# KiCad board ciaa_acc.kicad_pcb (continued)
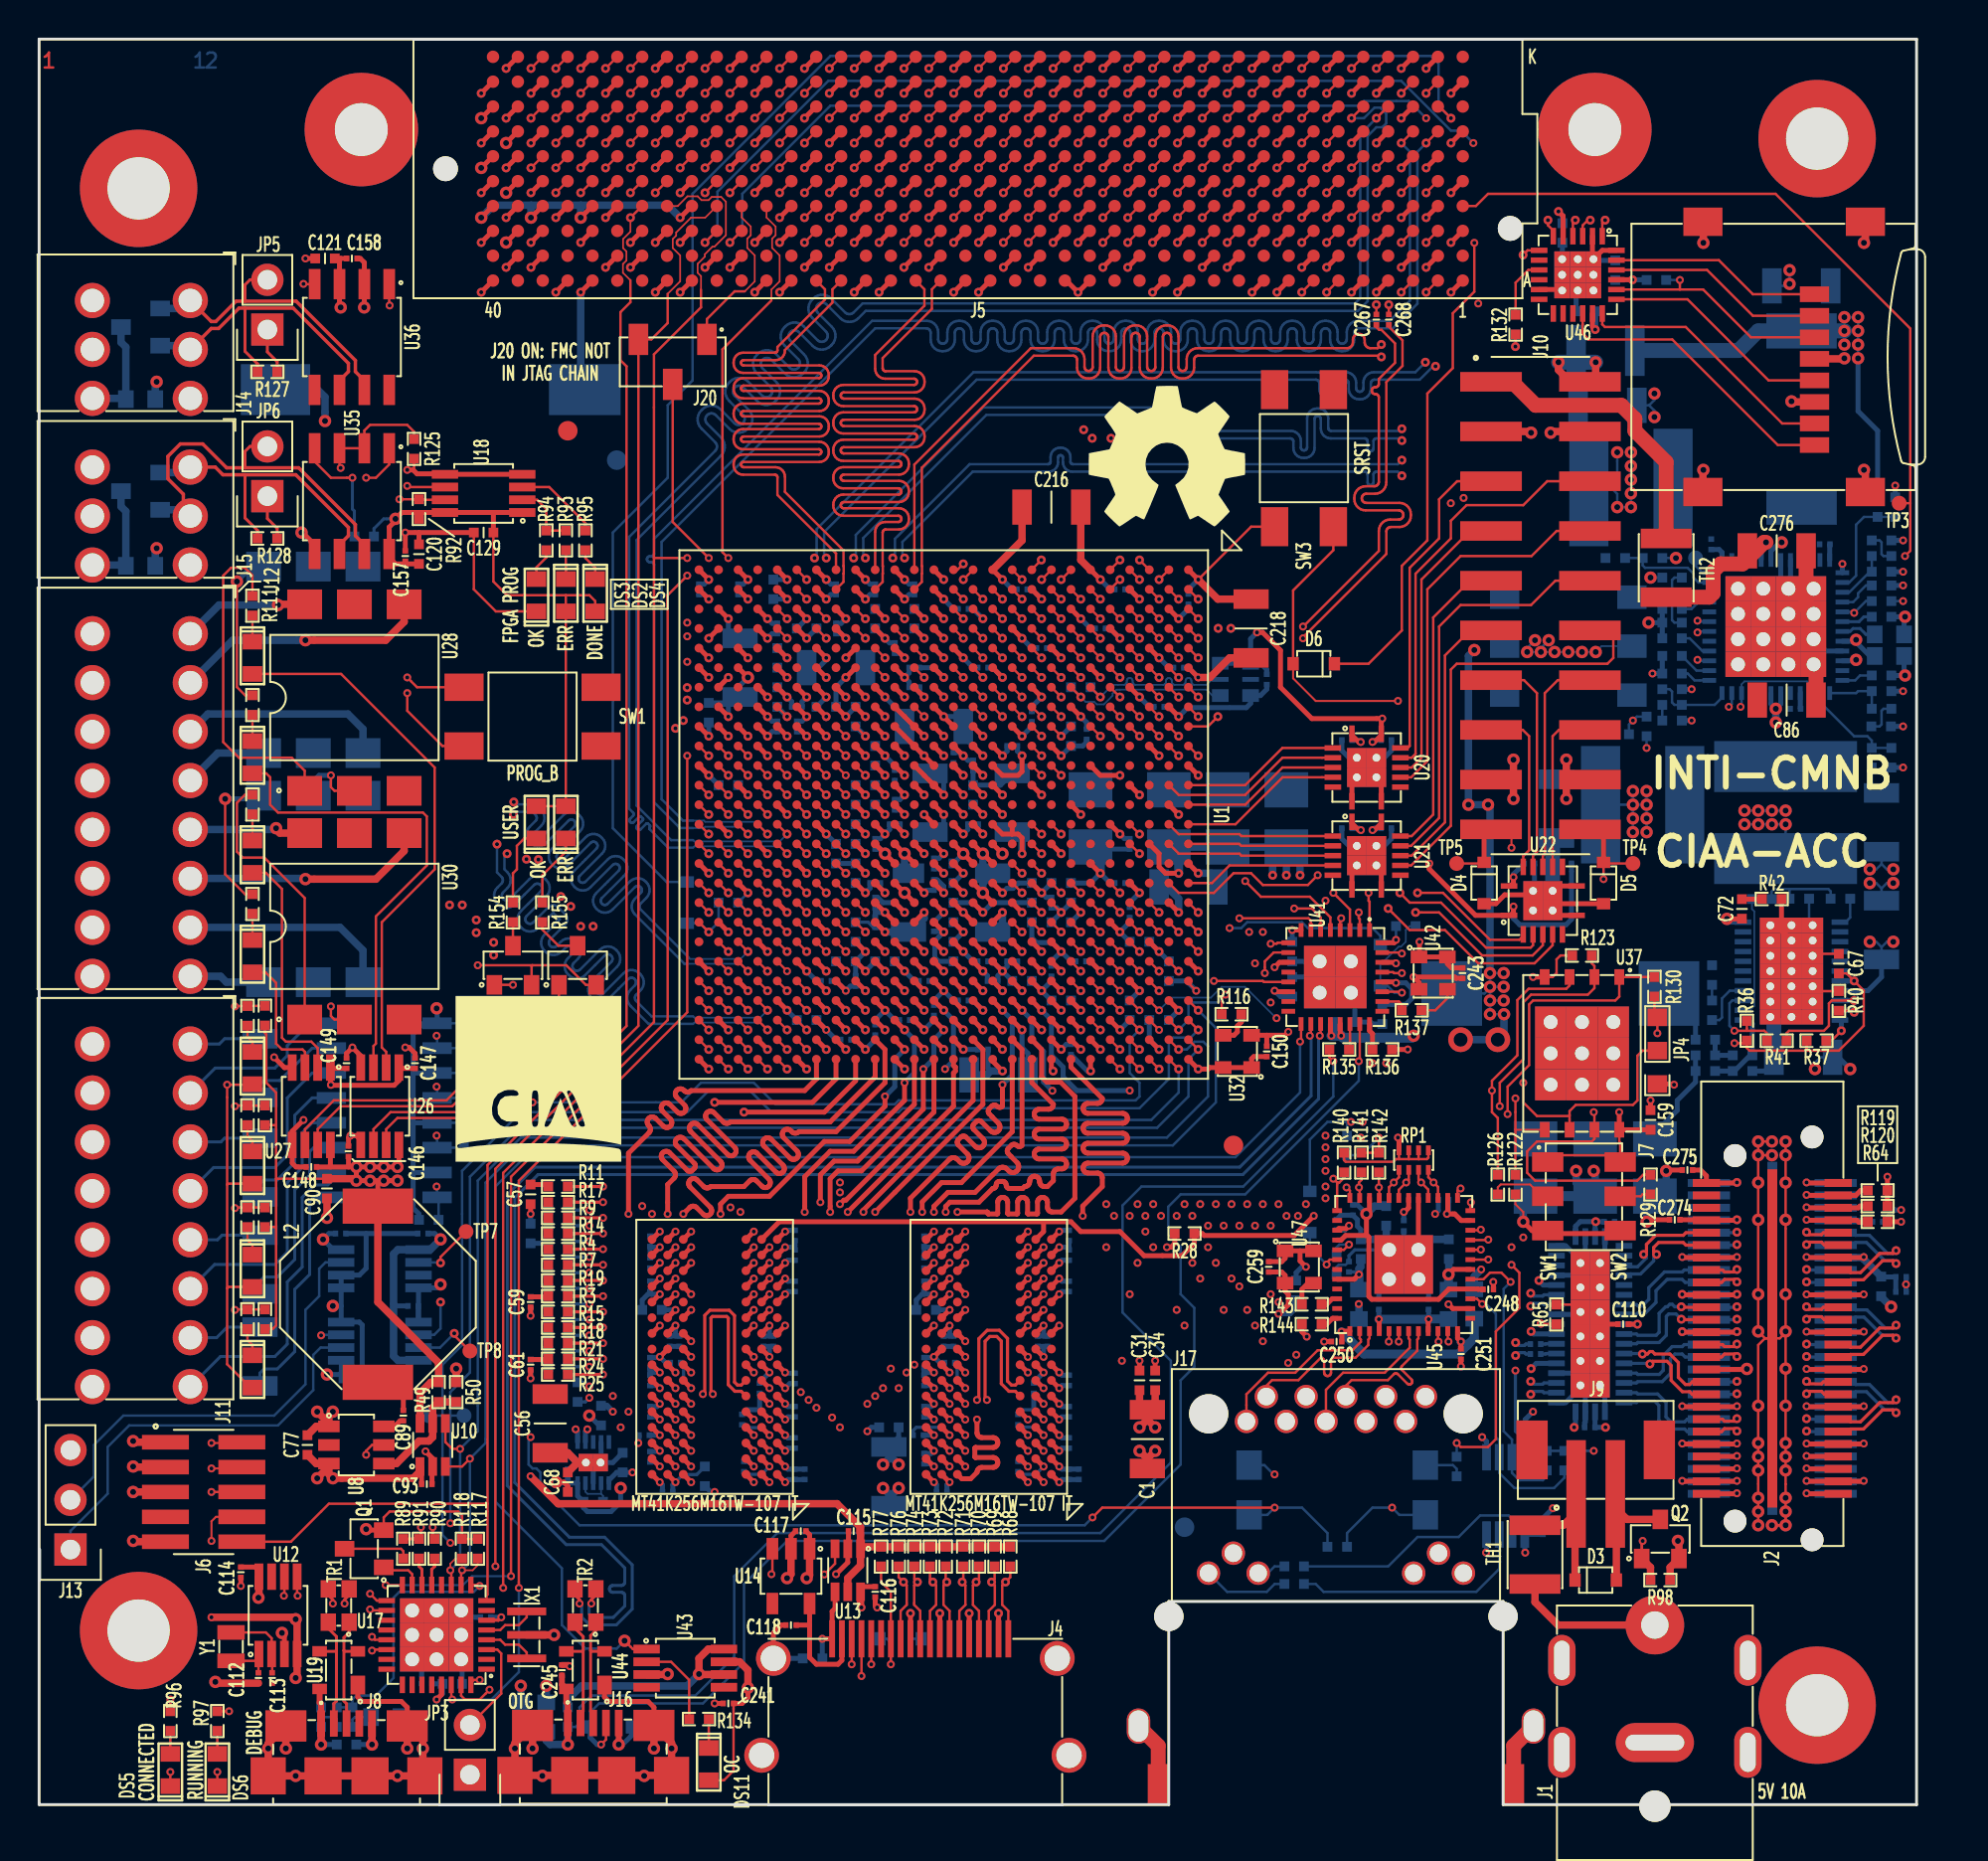
[diagram p0: board, top side]
## Placement (name value [footprint] x y rotation side) (continued)
R56  11K  [r_0402]  83.4 56.17 0 bottom
R57  10K  [r_0402]  94.1 61.47 0 bottom
R58  182K  [r_0402]  83.4 59.57 180 bottom
R59  10K  [r_0402]  83.4 58.67 0 bottom
R60  75K  [r_0402]  93.9 66.27 270 bottom
R61  24K  [r_0402]  94.8 66.27 90 bottom
R62  14K  [r_0402]  80.7 54.67 0 bottom
R63  16K  [r_0402]  82.1 55.07 270 bottom
R64  10K  [r_0402]  93.9 29.77 180 top
R65  10K  [r_0402]  77.5 25.04 90 top
R66  DNP  [r_0402]  94.08 26.47 270 bottom
R68  49R9  [r_0402]  49.6 12.67 270 top
R69  49R9  [r_0402]  48.8 12.67 270 top
R70  49R9  [r_0402]  48 12.67 270 top
R71  49R9  [r_0402]  47.2 12.67 270 top
R72  49R9  [r_0402]  46.3 12.67 270 top
R73  49R9  [r_0402]  45.5 12.67 270 top
R74  49R9  [r_0402]  44.7 12.67 270 top
R75  51K  [r_0402]  39.5 7.47 180 bottom
R76  49R9  [r_0402]  43.9 12.67 270 top
R77  27K  [r_0402]  43 12.67 90 top
R79  4.7K  [r_0402]  35.2 46.07 180 bottom
R80  4.7K  [r_0402]  41.7 55.57 90 bottom
R87  2K2  [r_0402]  15.2 4.47 270 bottom
R88  3K3  [r_0402]  16 4.47 90 bottom
R89  1.5K  [r_0402]  18.6 13.07 90 top
R90  33  [r_0402]  20.2 13.07 270 top
R91  33  [r_0402]  19.4 13.07 270 top
R92  4.7K  [r_0402]  19.4 66.17 270 top
R93  330  [r_0402]  26.9 64.57 90 top
R94  220  [r_0402]  25.9 64.57 90 top
R95  33  [r_0402]  27.9 64.57 90 top
R96  220  [r_0402]  6.7 4.27 90 top
R97  33  [r_0402]  9.1 4.27 90 top
R98  100K  [r_0402]  82.8 11.47 0 top
R99  3.3K 1/4W  [r_1206]  11.27 37.62 90 bottom
R100  3.3K 1/4W  [r_1206]  11.27 32.54 90 bottom
R101  3.3K 1/4W  [r_1206]  11.27 27.59 90 bottom
R102  3.3K 1/4W  [r_1206]  11.27 22.89 90 bottom
R103  1K  [r_0402]  10.64 40.29 90 top
R104  1K  [r_0402]  10.64 35.21 90 top
R105  1K  [r_0402]  10.64 30 90 top
R106  1K  [r_0402]  10.64 24.79 90 top
R107  33K  [r_0402]  11.53 40.3 270 top
R108  33K  [r_0402]  11.53 35.21 270 top
R109  33K  [r_0402]  11.53 30 270 top
R110  33K  [r_0402]  11.53 24.79 270 top
R111  39  [r_0402]  10.89 61.23 90 top
R112  39  [r_0402]  10.89 56.16 90 top
R113  39  [r_0402]  10.89 51.08 90 top
R114  39  [r_0402]  10.89 46 90 top
R115  100  [r_0402]  37.7 56.57 270 bottom
R116  100  [r_0402]  60.9 40.37 180 top
R117  2.2K  [r_0402]  22.4 13.07 90 top
R118  2.2K  [r_0402]  21.6 13.07 90 top
R119  10K  [r_0402]  93.9 31.37 180 top
R120  10K  [r_0402]  93.9 30.57 180 top
R121  20K  [r_0402]  16.6 64.77 180 bottom
R122  20K  [r_0402]  75.4 31.67 270 top
R123  20K  [r_0402]  78.8 43.37 180 top
R124  20K  [r_0402]  66.8 33.67 270 bottom
R125  4.7K  [r_0402]  19.15 69.24 270 top
R126  20K  [r_0402]  74.5 31.67 90 top
R127  120  [r_0402]  11.66 73.18 180 top
R128  120  [r_0402]  11.66 64.67 0 top
R129  20K  [r_0402]  82.3 31.67 270 top
R130  4.7K  [r_0402]  82.5 41.77 90 top
R131  4.7K  [r_0402]  57.7 42.57 90 bottom
R132  49R9  [r_0402]  75.41 75.59 270 top
R133  4.7K  [r_0402]  69.8 44.87 180 bottom
R134  680  [r_0402]  33.7 4.37 0 top
R135  1K  [r_0402]  66.4 38.57 180 top
R136  8.06K  [r_0402]  68.6 38.57 0 top
R137  100  [r_0402]  70.1 40.57 0 top
R138  1.0K  [r_0402]  52.7 46.57 270 bottom
R139  1.0K  [r_0402]  52.2 45.07 0 bottom
R140  4.7K  [r_0402]  66.65 32.79 270 top
R141  10K  [r_0402]  67.54 32.79 270 top
R142  10K  [r_0402]  68.42 32.79 270 top
R143  100  [r_0402]  65 25.56 180 top
R144  12.1K  [r_0402]  65 24.54 0 top
R146  10K  [r_0402]  66.27 27.59 270 bottom
R147  1K  [r_0402]  77.9 17.57 90 bottom
R148  1K  [r_0402]  77 17.57 90 bottom
R149  DNP  [r_0402]  82.6 77.87 0 bottom
R150  220  [r_0402]  64.1 11.27 180 bottom
R151  220  [r_0402]  64.1 12.17 180 bottom
R152  1K  [r_0402]  52.7 54.57 90 bottom
R153  100  [r_0402]  53.2 57.07 180 bottom
R154  220  [r_0402]  24.2 45.57 90 top
R155  330  [r_0402]  25.7 45.57 270 top
RP1  10K  [r_0402_4]  70.2 32.92 180 top
SW1  PROG_B  [TACT_SMD_4.5X4.5]  25.2 55.57 0 top
SW3  SRST  [TACT_SMD_4.5X4.5]  64.6 68.77 90 top
TH1  PTC 0.5A  [ptc_1210]  76.4 12.77 90 top
TH2  PTC 0.5A  [ptc_1210]  83.1 63.17 270 top
TH3  PTC 0.5A  [ptc_1210]  80 74.27 0 bottom
TP1  -  [TESTPOINT]  21.7 19.87 0 bottom
TP2  -  [TESTPOINT]  84.6 63.67 0 bottom
TP3  -  [TESTPOINT]  95 66.47 0 top
TP4  -  [TESTPOINT]  81.4 48.07 0 top
TP5  -  [TESTPOINT]  72.4 48.07 0 top
TP6  -  [TESTPOINT]  19.9 19.87 0 bottom
TP7  -  [TESTPOINT]  21.8 29.27 0 top
TP8  -  [TESTPOINT]  22 23.17 0 top
TR1  -  [SRF2012]  15.3 10.17 90 top
TR2  -  [SRF2012]  27.9 10.17 90 top
U1  XC7Z030-2FBG676I  [FBG676]  46.2 50.57 270 top
U2  MT41K256M16TW-107 IT  [FBGA96]  48.5 22.87 180 top
U3  MT41K256M16TW-107 IT  [FBGA96]  34.5 22.87 180 top
U4  -  [TPS51206]  28.3 17.47 0 bottom
U5  -  [TPS53355]  89.5 42.57 90 bottom
U7  LTV-817S  [OPTO_SMD]  66.3 16.07 270 bottom
U8  TPS563209  [SOT-23-6]  16.2 18.37 270 top
U9  -  [TPS65400]  88.7 60.17 270 bottom
U10  MCP4017  [SC-70-6]  20.1 18.37 0 top
U11  CBTL04083A  [HVQFN42]  79.22 24.54 90 bottom
U12  MCP79410  [MSOP-8]  12.2 9.67 0 top
U13  TXB0101  [SC-70-6]  41.3 11.97 180 top
U14  MIC2090  [SOT-23-5]  38.4 11.67 180 top
U17  LPC11U35FHI33  [LPC11U35]  20.3 8.67 180 top
U18  74AVC2T45  [MSOP-8]  22.7 66.97 90 top
U19  CM1213A  [SOT-143]  15.3 6.87 90 top
U20  -  [LSF0204D]  67.8 52.97 270 top
U21  -  [LSF0204D]  67.8 48.47 270 top
U22  -  [LSF0204D]  76.8 46.17 0 top
U23  TLP290-4  [SOIC-16]  17.62 35.46 90 bottom
U26  74AVC2T45  [MSOP-8]  17.4 35.67 180 top
U27  74AVC2T45  [MSOP-8]  13.9 35.67 180 top
U28  VO14642AABTR  [DIP-6-SMD]  16.1 56.54 90 top
U29  VO14642AABTR  [DIP-6-SMD]  14 58.47 270 bottom
U30  VO14642AABTR  [DIP-6-SMD]  16.1 44.86 90 top
U31  VO14642AABTR  [DIP-6-SMD]  14 46.77 270 bottom
U32  33.33MHz  [ABRACON-ASDMB]  61.2 38.47 90 top
U33  74AVC2T45  [MSOP-8]  17.4 23.67 90 bottom
U34  74AVC2T45  [MSOP-8]  17.4 27.37 270 bottom
U35  XR33038  [SOIC-8]  15.97 66.58 270 top
U36  TCAN332  [SOIC-8]  15.97 74.96 270 top
U37  QSPI  [WSON-8]  78.8 38.37 180 top
U39  PESD1CAN  [SOT-23]  5.18 75.47 270 bottom
U40  PESD1CAN  [SOT-23]  5.18 67.08 270 bottom
U41  -  [USB3320C]  66.2 42.27 270 top
U42  24MHz  [ABRACON-ASDMB]  71.2 42.47 270 top
U43  MIC2025  [MSOP-8]  33 6.97 270 top
U44  CM1213A  [SOT-143]  27.9 6.87 90 top
U45  KSZ9031RNXIA  [KSZ9031RNX]  69.69 27.59 90 top
U46  -  [TXS02612]  78.58 78.13 180 top
U47  25MHz  [ABRACON-ASDMB]  64.36 27.46 270 top
U48  74AVC2T45  [MSOP-8]  74.9 15.77 180 bottom
U49  DSC1123DL5-200.0000  [DSC1123D]  61.1 57.47 270 bottom
X1  12MHz  [CSTCE_G]  24.9 8.67 90 top
Y1  32K  [ABRACON-ABS06]  9.8 8.07 90 top

## Footprints (pads in the part's own frame, mm; a bottom-side part is the same pattern mirrored in y, then rotated)
1770898
  round 1.8 hole 1.2: 1(-2.5,5) 1(-2.5,0) 2(0,5) 2(0,0) 3(2.5,5) 3(2.5,0)
1770940
  round 1.8 hole 1.2: 1(-8.75,5) 1(-8.75,0) 2(-6.25,5) 2(-6.25,0) 3(-3.75,5) 3(-3.75,0) 4(-1.25,5) 4(-1.25,0) 5(1.25,5) 5(1.25,0) 6(3.75,5) 6(3.75,0) 7(6.25,5) 7(6.25,0) 8(8.75,5) 8(8.75,0)
1840461-1
  round 1.5 hole 1.5 unplated: (-8.535,-9.96) (8.535,-9.96)
  round 2 hole 2 unplated: (-6.5,0.39) (6.5,0.39)
  round 1.2 hole 0.9: 1(-4.572,0) 2(-3.556,1.27) 3(-2.54,0) 4(-1.524,1.27) 5(-0.508,0) 6(0.508,1.27) 7(1.524,0) 8(2.54,1.27) 9(3.556,0) 10(4.572,1.27) 11(-6.51,-7.75) 12(-5.24,-6.73) 13(-3.97,-7.75) 14(3.97,-7.75) 15(6.51,-7.75) 16(5.24,-6.73)
  oval 1.2x1.8 hole 1x1.6: 17(-10.085,-15.56) 17(10.085,-15.56)
  rect 1.08x2.06 smd: 17(-9.075,-18.53) 17(9.075,-18.53)
10029449-111RLF
  rect 0.3x1.9 smd: 1(4.75,0) 2(4.25,0) 3(3.75,0) 4(3.25,0) 5(2.75,0) 6(2.25,0) 7(1.75,0) 8(1.25,0) 9(0.75,0) 10(0.25,0) 11(-0.25,0) 12(-0.75,0) 13(-1.25,0) 14(-1.75,0) 15(-2.25,0) 16(-2.75,0) 17(-3.25,0) 18(-3.75,0) 19(-4.25,0)
  round 1.778 hole 1.3: 20(-7.85,-5.95) 20(-7.25,-1) 20(7.25,-1) 20(7.85,-5.95)
452403012014
  rect 1.2x1.5 smd: 1(-2.5,3.25) 2(0,3.25) 3(2.5,3.25) 4(-2.5,-3.25) 5(0,-3.25) 6(2.5,-3.25)
ABRACON-ABS06
  rect 0.75x1.4 smd: 1(-0.725,0) 2(0.725,0)
ABRACON-ASDMB
  rect 0.65x0.85 smd: 1(-0.825,-0.725) 2(0.825,-0.725) 3(0.825,0.725) 4(-0.825,0.725)
ASP-129637-13
  round 1.168 hole 1.168 unplated: (-9.335,1.905) (9.335,1.905)
  rect 0.406x1.397 smd: 1(-7.938,-3.365) 2(-7.938,3.365) 3(-7.303,-3.365) 4(-7.303,3.365) 5(-6.668,-3.365) 6(-6.668,3.365) 7(-6.032,-3.365) 8(-6.032,3.365) 9(-5.397,-3.365) 10(-5.397,3.365) 11(-4.763,-3.365) 12(-4.763,3.365) 13(-4.128,-3.365) 14(-4.128,3.365) 15(-3.493,-3.365) 16(-3.493,3.365) 17(-2.857,-3.365) 18(-2.857,3.365) 19(-2.223,-3.365) 20(-2.223,3.365) 21(-1.587,-3.365) 22(-1.587,3.365) 23(-0.953,-3.365) 24(-0.953,3.365) 25(-0.318,-3.365) 26(-0.318,3.365) 27(0.318,-3.365) 28(0.318,3.365) 29(0.953,-3.365) 30(0.953,3.365) 31(1.587,-3.365) 32(1.587,3.365) 33(2.223,-3.365) 34(2.223,3.365) 35(2.857,-3.365) 36(2.857,3.365) 37(3.493,-3.365) 38(3.493,3.365) 39(4.128,-3.365) 40(4.128,3.365) 41(4.763,-3.365) 42(4.763,3.365) 43(5.397,-3.365) 44(5.397,3.365) 45(6.032,-3.365) 46(6.032,3.365) 47(6.668,-3.365) 48(6.668,3.365) 49(7.303,-3.365) 50(7.303,3.365) 51(7.938,-3.365) 52(7.938,3.365)
  rect 17.272x0.508 smd: 53(0,0)
ASP-129646-22
  round 1.168 hole 1.168 unplated: (-10.287,2.032) (10.287,2.032)
  rect 0.406x2.159 smd: 1(-7.938,3.239) 2(-7.938,-3.239) 3(-7.303,3.239) 4(-7.303,-3.239) 5(-6.668,3.239) 6(-6.668,-3.239) 7(-6.032,3.239) 8(-6.032,-3.239) 9(-5.397,3.239) 10(-5.397,-3.239) 11(-4.763,3.239) 12(-4.763,-3.239) 13(-4.128,3.239) 14(-4.128,-3.239) 15(-3.493,3.239) 16(-3.493,-3.239) 17(-2.857,3.239) 18(-2.857,-3.239) 19(-2.223,3.239) 20(-2.223,-3.239) 21(-1.587,3.239) 22(-1.587,-3.239) 23(-0.953,3.239) 24(-0.953,-3.239) 25(-0.318,3.239) 26(-0.318,-3.239) 27(0.318,3.239) 28(0.318,-3.239) 29(0.953,3.239) 30(0.953,-3.239) 31(1.587,3.239) 32(1.587,-3.239) 33(2.223,3.239) 34(2.223,-3.239) 35(2.857,3.239) 36(2.857,-3.239) 37(3.493,3.239) 38(3.493,-3.239) 39(4.128,3.239) 40(4.128,-3.239) 41(4.763,3.239) 42(4.763,-3.239) 43(5.397,3.239) 44(5.397,-3.239) 45(6.032,3.239) 46(6.032,-3.239) 47(6.668,3.239) 48(6.668,-3.239) 49(7.303,3.239) 50(7.303,-3.239) 51(7.938,3.239) 52(7.938,-3.239)
  rect 18.034x0.508 smd: 53(0,0)
ASP-134486-01
  round 1.27 hole 1.27 unplated: (-27.191,3.048) (27.191,0)
  round 5.8 hole 2.7: 41(-31.511,-2) 41(31.491,-2)
  round 0.635 smd: A1(-24.765,5.715) A2(-23.495,5.715) A3(-22.225,5.715) A4(-20.955,5.715) A5(-19.685,5.715) A6(-18.415,5.715) A7(-17.145,5.715) A8(-15.875,5.715) A9(-14.605,5.715) A10(-13.335,5.715) A11(-12.065,5.715) A12(-10.795,5.715) A13(-9.525,5.715) A14(-8.255,5.715) A15(-6.985,5.715) A16(-5.715,5.715) A17(-4.445,5.715) A18(-3.175,5.715) A19(-1.905,5.715) A20(-0.635,5.715) A21(0.635,5.715) A22(1.905,5.715) A23(3.175,5.715) A24(4.445,5.715) A25(5.715,5.715) A26(6.985,5.715) A27(8.255,5.715) A28(9.525,5.715) A29(10.795,5.715) A30(12.065,5.715) A31(13.335,5.715) A32(14.605,5.715) A33(15.875,5.715) A34(17.145,5.715) A35(18.415,5.715) A36(19.685,5.715) A37(20.955,5.715) A38(22.225,5.715) A39(23.495,5.715) A40(24.765,5.715) B1(-24.765,4.445) B2(-23.495,4.445) B3(-22.225,4.445) B4(-20.955,4.445) B5(-19.685,4.445) B6(-18.415,4.445) B7(-17.145,4.445) B8(-15.875,4.445) B9(-14.605,4.445) B10(-13.335,4.445) B11(-12.065,4.445) B12(-10.795,4.445) B13(-9.525,4.445) B14(-8.255,4.445) B15(-6.985,4.445) B16(-5.715,4.445) B17(-4.445,4.445) B18(-3.175,4.445) B19(-1.905,4.445) B20(-0.635,4.445) B21(0.635,4.445) B22(1.905,4.445) B23(3.175,4.445) B24(4.445,4.445) B25(5.715,4.445) B26(6.985,4.445) B27(8.255,4.445) B28(9.525,4.445) B29(10.795,4.445) B30(12.065,4.445) B31(13.335,4.445) B32(14.605,4.445) B33(15.875,4.445) B34(17.145,4.445) B35(18.415,4.445) B36(19.685,4.445) B37(20.955,4.445) B38(22.225,4.445) B39(23.495,4.445) B40(24.765,4.445) C1(-24.765,3.175) C2(-23.495,3.175) C3(-22.225,3.175) C4(-20.955,3.175) C5(-19.685,3.175) C6(-18.415,3.175) C7(-17.145,3.175) C8(-15.875,3.175) C9(-14.605,3.175) C10(-13.335,3.175) C11(-12.065,3.175) C12(-10.795,3.175) C13(-9.525,3.175) C14(-8.255,3.175) C15(-6.985,3.175) C16(-5.715,3.175) C17(-4.445,3.175) C18(-3.175,3.175) C19(-1.905,3.175) C20(-0.635,3.175) C21(0.635,3.175) C22(1.905,3.175) C23(3.175,3.175) C24(4.445,3.175) C25(5.715,3.175) C26(6.985,3.175) C27(8.255,3.175) C28(9.525,3.175) C29(10.795,3.175) C30(12.065,3.175) C31(13.335,3.175) C32(14.605,3.175) C33(15.875,3.175) C34(17.145,3.175) C35(18.415,3.175) C36(19.685,3.175) C37(20.955,3.175) C38(22.225,3.175) C39(23.495,3.175) C40(24.765,3.175) D1(-24.765,1.905) D2(-23.495,1.905) D3(-22.225,1.905) D4(-20.955,1.905) D5(-19.685,1.905) D6(-18.415,1.905) D7(-17.145,1.905) D8(-15.875,1.905) D9(-14.605,1.905) D10(-13.335,1.905) D11(-12.065,1.905) D12(-10.795,1.905) D13(-9.525,1.905) D14(-8.255,1.905) D15(-6.985,1.905) D16(-5.715,1.905) D17(-4.445,1.905) D18(-3.175,1.905) D19(-1.905,1.905) D20(-0.635,1.905) D21(0.635,1.905) D22(1.905,1.905) D23(3.175,1.905) D24(4.445,1.905) D25(5.715,1.905) D26(6.985,1.905) D27(8.255,1.905) D28(9.525,1.905) D29(10.795,1.905) D30(12.065,1.905) D31(13.335,1.905) D32(14.605,1.905) D33(15.875,1.905) D34(17.145,1.905) D35(18.415,1.905) D36(19.685,1.905) D37(20.955,1.905) D38(22.225,1.905) D39(23.495,1.905) D40(24.765,1.905) E1(-24.765,0.635) E2(-23.495,0.635) E3(-22.225,0.635) E4(-20.955,0.635) E5(-19.685,0.635) E6(-18.415,0.635) E7(-17.145,0.635) E8(-15.875,0.635) E9(-14.605,0.635) E10(-13.335,0.635) E11(-12.065,0.635) E12(-10.795,0.635) E13(-9.525,0.635) E14(-8.255,0.635) E15(-6.985,0.635) E16(-5.715,0.635) E17(-4.445,0.635) E18(-3.175,0.635) E19(-1.905,0.635) E20(-0.635,0.635) E21(0.635,0.635) E22(1.905,0.635) E23(3.175,0.635) E24(4.445,0.635) E25(5.715,0.635) E26(6.985,0.635) E27(8.255,0.635) E28(9.525,0.635) E29(10.795,0.635) E30(12.065,0.635) E31(13.335,0.635) E32(14.605,0.635) E33(15.875,0.635) E34(17.145,0.635) E35(18.415,0.635) E36(19.685,0.635) E37(20.955,0.635) E38(22.225,0.635) E39(23.495,0.635) E40(24.765,0.635) F1(-24.765,-0.635) F2(-23.495,-0.635) F3(-22.225,-0.635) F4(-20.955,-0.635) F5(-19.685,-0.635) F6(-18.415,-0.635) F7(-17.145,-0.635) F8(-15.875,-0.635) F9(-14.605,-0.635) F10(-13.335,-0.635) F11(-12.065,-0.635) F12(-10.795,-0.635) F13(-9.525,-0.635) F14(-8.255,-0.635) F15(-6.985,-0.635) F16(-5.715,-0.635) F17(-4.445,-0.635) F18(-3.175,-0.635) F19(-1.905,-0.635) F20(-0.635,-0.635) F21(0.635,-0.635) F22(1.905,-0.635) F23(3.175,-0.635) F24(4.445,-0.635) F25(5.715,-0.635) F26(6.985,-0.635) F27(8.255,-0.635) F28(9.525,-0.635) F29(10.795,-0.635) F30(12.065,-0.635) F31(13.335,-0.635) F32(14.605,-0.635) F33(15.875,-0.635) F34(17.145,-0.635) F35(18.415,-0.635) F36(19.685,-0.635) F37(20.955,-0.635) F38(22.225,-0.635) F39(23.495,-0.635) F40(24.765,-0.635) G1(-24.765,-1.905) G2(-23.495,-1.905) G3(-22.225,-1.905) G4(-20.955,-1.905) G5(-19.685,-1.905) G6(-18.415,-1.905) G7(-17.145,-1.905) G8(-15.875,-1.905) G9(-14.605,-1.905) G10(-13.335,-1.905) G11(-12.065,-1.905) G12(-10.795,-1.905) G13(-9.525,-1.905) G14(-8.255,-1.905) G15(-6.985,-1.905) G16(-5.715,-1.905) G17(-4.445,-1.905) G18(-3.175,-1.905) G19(-1.905,-1.905) G20(-0.635,-1.905) G21(0.635,-1.905) G22(1.905,-1.905) G23(3.175,-1.905) G24(4.445,-1.905) G25(5.715,-1.905) G26(6.985,-1.905) G27(8.255,-1.905) G28(9.525,-1.905) G29(10.795,-1.905) G30(12.065,-1.905) G31(13.335,-1.905) G32(14.605,-1.905) G33(15.875,-1.905) G34(17.145,-1.905) G35(18.415,-1.905) G36(19.685,-1.905) G37(20.955,-1.905) G38(22.225,-1.905) G39(23.495,-1.905) G40(24.765,-1.905) H1(-24.765,-3.175) H2(-23.495,-3.175) H3(-22.225,-3.175) H4(-20.955,-3.175) H5(-19.685,-3.175) H6(-18.415,-3.175) H7(-17.145,-3.175) H8(-15.875,-3.175) H9(-14.605,-3.175) H10(-13.335,-3.175) H11(-12.065,-3.175) H12(-10.795,-3.175) H13(-9.525,-3.175) H14(-8.255,-3.175) H15(-6.985,-3.175) H16(-5.715,-3.175) H17(-4.445,-3.175) H18(-3.175,-3.175) H19(-1.905,-3.175) H20(-0.635,-3.175) H21(0.635,-3.175) H22(1.905,-3.175) H23(3.175,-3.175) H24(4.445,-3.175) H25(5.715,-3.175) H26(6.985,-3.175) H27(8.255,-3.175) H28(9.525,-3.175) H29(10.795,-3.175) H30(12.065,-3.175) H31(13.335,-3.175) H32(14.605,-3.175) H33(15.875,-3.175) H34(17.145,-3.175) H35(18.415,-3.175) H36(19.685,-3.175) H37(20.955,-3.175) H38(22.225,-3.175) H39(23.495,-3.175) H40(24.765,-3.175) J1(-24.765,-4.445) J2(-23.495,-4.445) J3(-22.225,-4.445) J4(-20.955,-4.445) J5(-19.685,-4.445) J6(-18.415,-4.445) J7(-17.145,-4.445) J8(-15.875,-4.445) J9(-14.605,-4.445) J10(-13.335,-4.445) J11(-12.065,-4.445) J12(-10.795,-4.445) J13(-9.525,-4.445) J14(-8.255,-4.445) J15(-6.985,-4.445) J16(-5.715,-4.445) J17(-4.445,-4.445) J18(-3.175,-4.445) J19(-1.905,-4.445) J20(-0.635,-4.445) J21(0.635,-4.445) J22(1.905,-4.445) J23(3.175,-4.445) J24(4.445,-4.445) J25(5.715,-4.445) J26(6.985,-4.445) J27(8.255,-4.445) J28(9.525,-4.445) J29(10.795,-4.445) J30(12.065,-4.445) J31(13.335,-4.445) J32(14.605,-4.445) J33(15.875,-4.445) J34(17.145,-4.445) J35(18.415,-4.445) J36(19.685,-4.445) J37(20.955,-4.445) J38(22.225,-4.445) J39(23.495,-4.445) J40(24.765,-4.445) K1(-24.765,-5.715) K2(-23.495,-5.715) K3(-22.225,-5.715) K4(-20.955,-5.715) K5(-19.685,-5.715) K6(-18.415,-5.715) K7(-17.145,-5.715) K8(-15.875,-5.715) K9(-14.605,-5.715) K10(-13.335,-5.715) K11(-12.065,-5.715) K12(-10.795,-5.715) K13(-9.525,-5.715) K14(-8.255,-5.715) K15(-6.985,-5.715) K16(-5.715,-5.715) K17(-4.445,-5.715) K18(-3.175,-5.715) K19(-1.905,-5.715) K20(-0.635,-5.715) K21(0.635,-5.715) K22(1.905,-5.715) K23(3.175,-5.715) K24(4.445,-5.715) K25(5.715,-5.715) K26(6.985,-5.715) K27(8.255,-5.715) K28(9.525,-5.715) K29(10.795,-5.715) K30(12.065,-5.715) K31(13.335,-5.715) K32(14.605,-5.715) K33(15.875,-5.715) K34(17.145,-5.715) K35(18.415,-5.715) K36(19.685,-5.715) K37(20.955,-5.715) K38(22.225,-5.715) K39(23.495,-5.715) K40(24.765,-5.715)
B2B-PH-SM4-TB
  rect 1x5.5 smd: 1(-1,0) 2(1,0)
  rect 1.6x3 smd: 3(-3.25,2.25) 3(3.25,2.25)
BC501SM
  rect 3.54x2.6 smd: 1(8.23,0)
  rect 3.66x2.6 smd: 2(-7.57,0)
c_0201
  rect 0.28x0.3 smd: 1(-0.265,0) 2(0.265,0)
c_0402
  rect 0.5x0.5 smd: 1(-0.5,0) 2(0.5,0)
c_0603
  rect 0.8x0.9 smd: 1(-0.75,0) 2(0.75,0)
c_1206
  rect 1x1.8 smd: 1(-1.5,0) 2(1.5,0)
c_1206#2
  rect 1x1.6 smd: 1(-1.5,0)
  rect 1x1.8 smd: 2(1.5,0)
CAS-D20TA
  rect 1x1.6 smd: 1(-1.75,-1.85) 2(0,-1.85) 3(1.75,-1.85) 4(-1.75,1.85) 5(0,1.85) 6(1.75,1.85)
CJS-1200TA
  rect 1x1.6 smd: 1(-1.75,-1.15) 2(0,1.15) 3(1.75,-1.15)
CSTCE_G
  rect 0.4x2 smd: 1(-1.2,0) 2(1.2,0) 3(0,0)
DIP-6-SMD
  rect 1.52x1.78 smd: 1(-4.762,2.54) 2(-4.762,0) 3(-4.762,-2.54) 4(4.762,-2.54) 5(4.762,0) 6(4.762,2.54)
DSC1123D
  rect 0.65x0.85 smd: 1(-0.825,-0.775) 3(0.825,-0.775) 4(0.825,0.775) 6(-0.825,0.775)
  rect 0.25x0.85 smd: 2(0,-0.775) 5(0,0.775)
FBG676
  round 0.45 smd: A1(-12.5,12.5) A2(-11.5,12.5) A3(-10.5,12.5) A4(-9.5,12.5) A5(-8.5,12.5) A6(-7.5,12.5) A7(-6.5,12.5) A8(-5.5,12.5) A9(-4.5,12.5) A10(-3.5,12.5) A11(-2.5,12.5) A12(-1.5,12.5) A13(-0.5,12.5) A14(0.5,12.5) A15(1.5,12.5) A16(2.5,12.5) A17(3.5,12.5) A18(4.5,12.5) A19(5.5,12.5) A20(6.5,12.5) A21(7.5,12.5) A22(8.5,12.5) A23(9.5,12.5) A24(10.5,12.5) A25(11.5,12.5) A26(12.5,12.5) AA1(-12.5,-7.5) AA2(-11.5,-7.5) AA3(-10.5,-7.5) AA4(-9.5,-7.5) AA5(-8.5,-7.5) AA6(-7.5,-7.5) AA7(-6.5,-7.5) AA8(-5.5,-7.5) AA9(-4.5,-7.5) AA10(-3.5,-7.5) AA11(-2.5,-7.5) AA12(-1.5,-7.5) AA13(-0.5,-7.5) AA14(0.5,-7.5) AA15(1.5,-7.5) AA16(2.5,-7.5) AA17(3.5,-7.5) AA18(4.5,-7.5) AA19(5.5,-7.5) AA20(6.5,-7.5) AA21(7.5,-7.5) AA22(8.5,-7.5) AA23(9.5,-7.5) AA24(10.5,-7.5) AA25(11.5,-7.5) AA26(12.5,-7.5) AB1(-12.5,-8.5) AB2(-11.5,-8.5) AB3(-10.5,-8.5) AB4(-9.5,-8.5) AB5(-8.5,-8.5) AB6(-7.5,-8.5) AB7(-6.5,-8.5) AB8(-5.5,-8.5) AB9(-4.5,-8.5) AB10(-3.5,-8.5) AB11(-2.5,-8.5) AB12(-1.5,-8.5) AB13(-0.5,-8.5) AB14(0.5,-8.5) AB15(1.5,-8.5) AB16(2.5,-8.5) AB17(3.5,-8.5) AB18(4.5,-8.5) AB19(5.5,-8.5) AB20(6.5,-8.5) AB21(7.5,-8.5) AB22(8.5,-8.5) AB23(9.5,-8.5) AB24(10.5,-8.5) AB25(11.5,-8.5) AB26(12.5,-8.5) AC1(-12.5,-9.5) AC2(-11.5,-9.5) AC3(-10.5,-9.5) AC4(-9.5,-9.5) AC5(-8.5,-9.5) AC6(-7.5,-9.5) AC7(-6.5,-9.5) AC8(-5.5,-9.5) AC9(-4.5,-9.5) AC10(-3.5,-9.5) AC11(-2.5,-9.5) AC12(-1.5,-9.5) AC13(-0.5,-9.5) AC14(0.5,-9.5) AC15(1.5,-9.5) AC16(2.5,-9.5) AC17(3.5,-9.5) AC18(4.5,-9.5) AC19(5.5,-9.5) AC20(6.5,-9.5) AC21(7.5,-9.5) AC22(8.5,-9.5) AC23(9.5,-9.5) AC24(10.5,-9.5) AC25(11.5,-9.5) AC26(12.5,-9.5) AD1(-12.5,-10.5) AD2(-11.5,-10.5) AD3(-10.5,-10.5) AD4(-9.5,-10.5) AD5(-8.5,-10.5) AD6(-7.5,-10.5) AD7(-6.5,-10.5) AD8(-5.5,-10.5) AD9(-4.5,-10.5) AD10(-3.5,-10.5) AD11(-2.5,-10.5) AD12(-1.5,-10.5) AD13(-0.5,-10.5) AD14(0.5,-10.5) AD15(1.5,-10.5) AD16(2.5,-10.5) AD17(3.5,-10.5) AD18(4.5,-10.5) AD19(5.5,-10.5) AD20(6.5,-10.5) AD21(7.5,-10.5) AD22(8.5,-10.5) AD23(9.5,-10.5) AD24(10.5,-10.5) AD25(11.5,-10.5) AD26(12.5,-10.5) AE1(-12.5,-11.5) AE2(-11.5,-11.5) AE3(-10.5,-11.5) AE4(-9.5,-11.5) AE5(-8.5,-11.5) AE6(-7.5,-11.5) AE7(-6.5,-11.5) AE8(-5.5,-11.5) AE9(-4.5,-11.5) AE10(-3.5,-11.5) AE11(-2.5,-11.5) AE12(-1.5,-11.5) AE13(-0.5,-11.5) AE14(0.5,-11.5) AE15(1.5,-11.5) AE16(2.5,-11.5) AE17(3.5,-11.5) AE18(4.5,-11.5) AE19(5.5,-11.5) AE20(6.5,-11.5) AE21(7.5,-11.5) AE22(8.5,-11.5) AE23(9.5,-11.5) AE24(10.5,-11.5) AE25(11.5,-11.5) AE26(12.5,-11.5) AF1(-12.5,-12.5) AF2(-11.5,-12.5) AF3(-10.5,-12.5) AF4(-9.5,-12.5) AF5(-8.5,-12.5) AF6(-7.5,-12.5) AF7(-6.5,-12.5) AF8(-5.5,-12.5) AF9(-4.5,-12.5) AF10(-3.5,-12.5) AF11(-2.5,-12.5) AF12(-1.5,-12.5) AF13(-0.5,-12.5) AF14(0.5,-12.5) AF15(1.5,-12.5) AF16(2.5,-12.5) AF17(3.5,-12.5) AF18(4.5,-12.5) AF19(5.5,-12.5) AF20(6.5,-12.5) AF21(7.5,-12.5) AF22(8.5,-12.5) AF23(9.5,-12.5) AF24(10.5,-12.5) AF25(11.5,-12.5) AF26(12.5,-12.5) B1(-12.5,11.5) B2(-11.5,11.5) B3(-10.5,11.5) B4(-9.5,11.5) B5(-8.5,11.5) B6(-7.5,11.5) B7(-6.5,11.5) B8(-5.5,11.5) B9(-4.5,11.5) B10(-3.5,11.5) B11(-2.5,11.5) B12(-1.5,11.5) B13(-0.5,11.5) B14(0.5,11.5) B15(1.5,11.5) B16(2.5,11.5) B17(3.5,11.5) B18(4.5,11.5) B19(5.5,11.5) B20(6.5,11.5) B21(7.5,11.5) B22(8.5,11.5) B23(9.5,11.5) B24(10.5,11.5) B25(11.5,11.5) B26(12.5,11.5) C1(-12.5,10.5) C2(-11.5,10.5) C3(-10.5,10.5) C4(-9.5,10.5) C5(-8.5,10.5) C6(-7.5,10.5) C7(-6.5,10.5) C8(-5.5,10.5) C9(-4.5,10.5) C10(-3.5,10.5) C11(-2.5,10.5) C12(-1.5,10.5) C13(-0.5,10.5) C14(0.5,10.5) C15(1.5,10.5) C16(2.5,10.5) C17(3.5,10.5) C18(4.5,10.5) C19(5.5,10.5) C20(6.5,10.5) C21(7.5,10.5) C22(8.5,10.5) C23(9.5,10.5) C24(10.5,10.5) C25(11.5,10.5) C26(12.5,10.5) D1(-12.5,9.5) D2(-11.5,9.5) D3(-10.5,9.5) D4(-9.5,9.5) D5(-8.5,9.5) D6(-7.5,9.5) D7(-6.5,9.5) D8(-5.5,9.5) D9(-4.5,9.5) D10(-3.5,9.5) D11(-2.5,9.5) D12(-1.5,9.5) D13(-0.5,9.5) D14(0.5,9.5) D15(1.5,9.5) D16(2.5,9.5) D17(3.5,9.5) D18(4.5,9.5) D19(5.5,9.5) D20(6.5,9.5) D21(7.5,9.5) D22(8.5,9.5) D23(9.5,9.5) D24(10.5,9.5) D25(11.5,9.5) D26(12.5,9.5) E1(-12.5,8.5) E2(-11.5,8.5) E3(-10.5,8.5) E4(-9.5,8.5) E5(-8.5,8.5) E6(-7.5,8.5) E7(-6.5,8.5) E8(-5.5,8.5) E9(-4.5,8.5) E10(-3.5,8.5) E11(-2.5,8.5) E12(-1.5,8.5) E13(-0.5,8.5) E14(0.5,8.5) E15(1.5,8.5) E16(2.5,8.5) E17(3.5,8.5) E18(4.5,8.5) E19(5.5,8.5) E20(6.5,8.5) E21(7.5,8.5) E22(8.5,8.5) E23(9.5,8.5) E24(10.5,8.5) E25(11.5,8.5) E26(12.5,8.5) F1(-12.5,7.5) F2(-11.5,7.5) F3(-10.5,7.5) F4(-9.5,7.5) F5(-8.5,7.5) F6(-7.5,7.5) F7(-6.5,7.5) F8(-5.5,7.5) F9(-4.5,7.5) F10(-3.5,7.5) F11(-2.5,7.5) F12(-1.5,7.5) F13(-0.5,7.5) F14(0.5,7.5) F15(1.5,7.5) F16(2.5,7.5) F17(3.5,7.5) F18(4.5,7.5) F19(5.5,7.5) F20(6.5,7.5) F21(7.5,7.5) F22(8.5,7.5) F23(9.5,7.5) F24(10.5,7.5) F25(11.5,7.5) F26(12.5,7.5) G1(-12.5,6.5) G2(-11.5,6.5) G3(-10.5,6.5) G4(-9.5,6.5) G5(-8.5,6.5) G6(-7.5,6.5) G7(-6.5,6.5) G8(-5.5,6.5) G9(-4.5,6.5) G10(-3.5,6.5) G11(-2.5,6.5) G12(-1.5,6.5) G13(-0.5,6.5) G14(0.5,6.5) G15(1.5,6.5) G16(2.5,6.5) G17(3.5,6.5) G18(4.5,6.5) G19(5.5,6.5) G20(6.5,6.5) G21(7.5,6.5) G22(8.5,6.5) G23(9.5,6.5) G24(10.5,6.5) G25(11.5,6.5) G26(12.5,6.5) H1(-12.5,5.5) H2(-11.5,5.5) H3(-10.5,5.5) H4(-9.5,5.5) H5(-8.5,5.5) H6(-7.5,5.5) H7(-6.5,5.5) H8(-5.5,5.5) H9(-4.5,5.5) H10(-3.5,5.5) H11(-2.5,5.5) H12(-1.5,5.5) H13(-0.5,5.5) H14(0.5,5.5) H15(1.5,5.5) H16(2.5,5.5) H17(3.5,5.5) H18(4.5,5.5) H19(5.5,5.5) H20(6.5,5.5) H21(7.5,5.5) H22(8.5,5.5) H23(9.5,5.5) H24(10.5,5.5) H25(11.5,5.5) H26(12.5,5.5) J1(-12.5,4.5) J2(-11.5,4.5) J3(-10.5,4.5) J4(-9.5,4.5) J5(-8.5,4.5) J6(-7.5,4.5) J7(-6.5,4.5) J8(-5.5,4.5) J9(-4.5,4.5) J10(-3.5,4.5) J11(-2.5,4.5) J12(-1.5,4.5) J13(-0.5,4.5) J14(0.5,4.5) J15(1.5,4.5) J16(2.5,4.5) J17(3.5,4.5) J18(4.5,4.5) J19(5.5,4.5) J20(6.5,4.5) J21(7.5,4.5) J22(8.5,4.5) J23(9.5,4.5) J24(10.5,4.5) J25(11.5,4.5) J26(12.5,4.5) K1(-12.5,3.5) K2(-11.5,3.5) K3(-10.5,3.5) K4(-9.5,3.5) K5(-8.5,3.5) K6(-7.5,3.5) K7(-6.5,3.5) K8(-5.5,3.5) K9(-4.5,3.5) K10(-3.5,3.5) K11(-2.5,3.5) K12(-1.5,3.5) K13(-0.5,3.5) K14(0.5,3.5) K15(1.5,3.5) K16(2.5,3.5) K17(3.5,3.5) K18(4.5,3.5) K19(5.5,3.5) K20(6.5,3.5) K21(7.5,3.5) K22(8.5,3.5) K23(9.5,3.5) K24(10.5,3.5) K25(11.5,3.5) K26(12.5,3.5) L1(-12.5,2.5) L2(-11.5,2.5) L3(-10.5,2.5) L4(-9.5,2.5) L5(-8.5,2.5) L6(-7.5,2.5) L7(-6.5,2.5) L8(-5.5,2.5) L9(-4.5,2.5) L10(-3.5,2.5) L11(-2.5,2.5) L12(-1.5,2.5) L13(-0.5,2.5) L14(0.5,2.5) L15(1.5,2.5) L16(2.5,2.5) L17(3.5,2.5) L18(4.5,2.5) L19(5.5,2.5) L20(6.5,2.5) L21(7.5,2.5) L22(8.5,2.5) L23(9.5,2.5) L24(10.5,2.5) L25(11.5,2.5) L26(12.5,2.5) M1(-12.5,1.5) M2(-11.5,1.5) M3(-10.5,1.5) M4(-9.5,1.5) M5(-8.5,1.5) M6(-7.5,1.5) M7(-6.5,1.5) M8(-5.5,1.5) M9(-4.5,1.5) M10(-3.5,1.5) M11(-2.5,1.5) M12(-1.5,1.5) M13(-0.5,1.5) M14(0.5,1.5) M15(1.5,1.5) M16(2.5,1.5) M17(3.5,1.5) M18(4.5,1.5) M19(5.5,1.5) M20(6.5,1.5) M21(7.5,1.5) M22(8.5,1.5) M23(9.5,1.5) M24(10.5,1.5) M25(11.5,1.5) M26(12.5,1.5) N1(-12.5,0.5) N2(-11.5,0.5) N3(-10.5,0.5) N4(-9.5,0.5) N5(-8.5,0.5) N6(-7.5,0.5) N7(-6.5,0.5) N8(-5.5,0.5) N9(-4.5,0.5) N10(-3.5,0.5) N11(-2.5,0.5) N12(-1.5,0.5) N13(-0.5,0.5) N14(0.5,0.5) N15(1.5,0.5) N16(2.5,0.5) N17(3.5,0.5) N18(4.5,0.5) N19(5.5,0.5) N20(6.5,0.5) N21(7.5,0.5) N22(8.5,0.5) N23(9.5,0.5) N24(10.5,0.5) N25(11.5,0.5) N26(12.5,0.5) P1(-12.5,-0.5) P2(-11.5,-0.5) P3(-10.5,-0.5) P4(-9.5,-0.5) P5(-8.5,-0.5) P6(-7.5,-0.5) P7(-6.5,-0.5) P8(-5.5,-0.5) P9(-4.5,-0.5) P10(-3.5,-0.5) P11(-2.5,-0.5) P12(-1.5,-0.5) P13(-0.5,-0.5) P14(0.5,-0.5) P15(1.5,-0.5) P16(2.5,-0.5) P17(3.5,-0.5) P18(4.5,-0.5) P19(5.5,-0.5) P20(6.5,-0.5) P21(7.5,-0.5) P22(8.5,-0.5) P23(9.5,-0.5) P24(10.5,-0.5) P25(11.5,-0.5) P26(12.5,-0.5) R1(-12.5,-1.5) R2(-11.5,-1.5) R3(-10.5,-1.5) R4(-9.5,-1.5) R5(-8.5,-1.5) R6(-7.5,-1.5) R7(-6.5,-1.5) R8(-5.5,-1.5) R9(-4.5,-1.5) R10(-3.5,-1.5) R11(-2.5,-1.5) R12(-1.5,-1.5) R13(-0.5,-1.5) R14(0.5,-1.5) R15(1.5,-1.5) R16(2.5,-1.5) R17(3.5,-1.5) R18(4.5,-1.5) R19(5.5,-1.5) R20(6.5,-1.5) R21(7.5,-1.5) R22(8.5,-1.5) R23(9.5,-1.5) R24(10.5,-1.5) R25(11.5,-1.5) R26(12.5,-1.5) T1(-12.5,-2.5) T2(-11.5,-2.5) T3(-10.5,-2.5) T4(-9.5,-2.5) T5(-8.5,-2.5) T6(-7.5,-2.5) T7(-6.5,-2.5) T8(-5.5,-2.5) T9(-4.5,-2.5) T10(-3.5,-2.5) T11(-2.5,-2.5) T12(-1.5,-2.5) T13(-0.5,-2.5) T14(0.5,-2.5) T15(1.5,-2.5) T16(2.5,-2.5) T17(3.5,-2.5) T18(4.5,-2.5) T19(5.5,-2.5) T20(6.5,-2.5) T21(7.5,-2.5) T22(8.5,-2.5) T23(9.5,-2.5) T24(10.5,-2.5) T25(11.5,-2.5) T26(12.5,-2.5) U1(-12.5,-3.5) U2(-11.5,-3.5) U3(-10.5,-3.5) U4(-9.5,-3.5) U5(-8.5,-3.5) U6(-7.5,-3.5) U7(-6.5,-3.5) U8(-5.5,-3.5) U9(-4.5,-3.5) U10(-3.5,-3.5) U11(-2.5,-3.5) U12(-1.5,-3.5) U13(-0.5,-3.5) U14(0.5,-3.5) U15(1.5,-3.5) U16(2.5,-3.5) U17(3.5,-3.5) U18(4.5,-3.5) U19(5.5,-3.5) U20(6.5,-3.5) U21(7.5,-3.5) U22(8.5,-3.5) U23(9.5,-3.5) U24(10.5,-3.5) U25(11.5,-3.5) U26(12.5,-3.5) V1(-12.5,-4.5) V2(-11.5,-4.5) V3(-10.5,-4.5) V4(-9.5,-4.5) V5(-8.5,-4.5) V6(-7.5,-4.5) V7(-6.5,-4.5) V8(-5.5,-4.5) V9(-4.5,-4.5) V10(-3.5,-4.5) V11(-2.5,-4.5) V12(-1.5,-4.5) V13(-0.5,-4.5) V14(0.5,-4.5) V15(1.5,-4.5) V16(2.5,-4.5) V17(3.5,-4.5) V18(4.5,-4.5) V19(5.5,-4.5) V20(6.5,-4.5) V21(7.5,-4.5) V22(8.5,-4.5) V23(9.5,-4.5) V24(10.5,-4.5) V25(11.5,-4.5) V26(12.5,-4.5) W1(-12.5,-5.5) W2(-11.5,-5.5) W3(-10.5,-5.5) W4(-9.5,-5.5) W5(-8.5,-5.5) W6(-7.5,-5.5) W7(-6.5,-5.5) W8(-5.5,-5.5) W9(-4.5,-5.5) W10(-3.5,-5.5) W11(-2.5,-5.5) W12(-1.5,-5.5) W13(-0.5,-5.5) W14(0.5,-5.5) W15(1.5,-5.5) W16(2.5,-5.5) W17(3.5,-5.5) W18(4.5,-5.5) W19(5.5,-5.5) W20(6.5,-5.5) W21(7.5,-5.5) W22(8.5,-5.5) W23(9.5,-5.5) W24(10.5,-5.5) W25(11.5,-5.5) W26(12.5,-5.5) Y1(-12.5,-6.5) Y2(-11.5,-6.5) Y3(-10.5,-6.5) Y4(-9.5,-6.5) Y5(-8.5,-6.5) Y6(-7.5,-6.5) Y7(-6.5,-6.5) Y8(-5.5,-6.5) Y9(-4.5,-6.5) Y10(-3.5,-6.5) Y11(-2.5,-6.5) Y12(-1.5,-6.5) Y13(-0.5,-6.5) Y14(0.5,-6.5) Y15(1.5,-6.5) Y16(2.5,-6.5) Y17(3.5,-6.5) Y18(4.5,-6.5) Y19(5.5,-6.5) Y20(6.5,-6.5) Y21(7.5,-6.5) Y22(8.5,-6.5) Y23(9.5,-6.5) Y24(10.5,-6.5) Y25(11.5,-6.5) Y26(12.5,-6.5)
FBGA96
  round 0.45 smd: A1(-3.2,6) A2(-2.4,6) A3(-1.6,6) A7(1.6,6) A8(2.4,6) A9(3.2,6) B1(-3.2,5.2) B2(-2.4,5.2) B3(-1.6,5.2) B7(1.6,5.2) B8(2.4,5.2) B9(3.2,5.2) C1(-3.2,4.4) C2(-2.4,4.4) C3(-1.6,4.4) C7(1.6,4.4) C8(2.4,4.4) C9(3.2,4.4) D1(-3.2,3.6) D2(-2.4,3.6) D3(-1.6,3.6) D7(1.6,3.6) D8(2.4,3.6) D9(3.2,3.6) E1(-3.2,2.8) E2(-2.4,2.8) E3(-1.6,2.8) E7(1.6,2.8) E8(2.4,2.8) E9(3.2,2.8) F1(-3.2,2) F2(-2.4,2) F3(-1.6,2) F7(1.6,2) F8(2.4,2) F9(3.2,2) G1(-3.2,1.2) G2(-2.4,1.2) G3(-1.6,1.2) G7(1.6,1.2) G8(2.4,1.2) G9(3.2,1.2) H1(-3.2,0.4) H2(-2.4,0.4) H3(-1.6,0.4) H7(1.6,0.4) H8(2.4,0.4) H9(3.2,0.4) J1(-3.2,-0.4) J2(-2.4,-0.4) J3(-1.6,-0.4) J7(1.6,-0.4) J8(2.4,-0.4) J9(3.2,-0.4) K1(-3.2,-1.2) K2(-2.4,-1.2) K3(-1.6,-1.2) K7(1.6,-1.2) K8(2.4,-1.2) K9(3.2,-1.2) L1(-3.2,-2) L2(-2.4,-2) L3(-1.6,-2) L7(1.6,-2) L8(2.4,-2) L9(3.2,-2) M1(-3.2,-2.8) M2(-2.4,-2.8) M3(-1.6,-2.8) M7(1.6,-2.8) M8(2.4,-2.8) M9(3.2,-2.8) N1(-3.2,-3.6) N2(-2.4,-3.6) N3(-1.6,-3.6) N7(1.6,-3.6) N8(2.4,-3.6) N9(3.2,-3.6) P1(-3.2,-4.4) P2(-2.4,-4.4) P3(-1.6,-4.4) P7(1.6,-4.4) P8(2.4,-4.4) P9(3.2,-4.4) R1(-3.2,-5.2) R2(-2.4,-5.2) R3(-1.6,-5.2) R7(1.6,-5.2) R8(2.4,-5.2) R9(3.2,-5.2) T1(-3.2,-6) T2(-2.4,-6) T3(-1.6,-6) T7(1.6,-6) T8(2.4,-6) T9(3.2,-6)
Fiducial_1mm
  round 1 smd: 1(0,0)
HVQFN42
  rect 0.3x0.85 smd: 1(-4,-1.725) 2(-3.5,-1.725) 3(-3,-1.725) 4(-2.5,-1.725) 5(-2,-1.725) 6(-1.5,-1.725) 7(-1,-1.725) 8(-0.5,-1.725) 9(0,-1.725) 10(0.5,-1.725) 11(1,-1.725) 12(1.5,-1.725) 13(2,-1.725) 14(2.5,-1.725) 15(3,-1.725) 16(3.5,-1.725) 17(4,-1.725) 22(4,1.725) 23(3.5,1.725) 24(3,1.725) 25(2.5,1.725) 26(2,1.725) 27(1.5,1.725) 28(1,1.725) 29(0.5,1.725) 30(0,1.725) 31(-0.5,1.725) 32(-1,1.725) 33(-1.5,1.725) 34(-2,1.725) 35(-2.5,1.725) 36(-3,1.725) 37(-3.5,1.725) 38(-4,1.725)
  rect 0.85x0.3 smd: 18(4.475,-0.75) 19(4.475,-0.25) 20(4.475,0.25) 21(4.475,0.75) 39(-4.475,0.75) 40(-4.475,0.25) 41(-4.475,-0.25) 42(-4.475,-0.75)
  rect 1.25x1 hole 0.4: 43(-3.125,-0.5) 43(-3.125,0.5) 43(-1.875,-0.5) 43(-1.875,0.5) 43(-0.625,-0.5) 43(-0.625,0.5) 43(0.625,-0.5) 43(0.625,0.5) 43(1.875,-0.5) 43(1.875,0.5) 43(3.125,-0.5) 43(3.125,0.5)
JUMPER3_0603
  rect 0.899x1.001 smd: 1(-0.85,0) 2(0.85,0) 3(2.55,0)
KSZ9031RNX
  rect 0.5x0.25 smd: 1(-3.4,2.75) 2(-3.4,2.25) 3(-3.4,1.75) 4(-3.4,1.25) 5(-3.4,0.75) 6(-3.4,0.25) 7(-3.4,-0.25) 8(-3.4,-0.75) 9(-3.4,-1.25) 10(-3.4,-1.75) 11(-3.4,-2.25) 12(-3.4,-2.75) 25(3.4,-2.75) 26(3.4,-2.25) 27(3.4,-1.75) 28(3.4,-1.25) 29(3.4,-0.75) 30(3.4,-0.25) 31(3.4,0.25) 32(3.4,0.75) 33(3.4,1.25) 34(3.4,1.75) 35(3.4,2.25) 36(3.4,2.75)
  rect 0.25x0.5 smd: 13(-2.75,-3.4) 14(-2.25,-3.4) 15(-1.75,-3.4) 16(-1.25,-3.4) 17(-0.75,-3.4) 18(-0.25,-3.4) 19(0.25,-3.4) 20(0.75,-3.4) 21(1.25,-3.4) 22(1.75,-3.4) 23(2.25,-3.4) 24(2.75,-3.4) 37(2.75,3.4) 38(2.25,3.4) 39(1.75,3.4) 40(1.25,3.4) 41(0.75,3.4) 42(0.25,3.4) 43(-0.25,3.4) 44(-0.75,3.4) 45(-1.25,3.4) 46(-1.75,3.4) 47(-2.25,3.4) 48(-2.75,3.4)
  rect 1.5x1.5 hole 0.711: 49(-0.75,0.75) 49(-0.75,-0.75) 49(0.75,0.75) 49(0.75,-0.75)
l_0402
  rect 0.5x0.5 smd: 1(-0.5,0) 2(0.5,0)
l_0603
  rect 0.8x0.9 smd: 1(-0.75,0) 2(0.75,0)
LED-0603
  rect 0.8x1 smd: 1(-0.825,0) 2(0.825,0)
LPC11U35
  rect 0.85x0.27 smd: 1(-2.55,1.75) 2(-2.55,1.25) 3(-2.55,0.75) 4(-2.55,0.25) 5(-2.55,-0.25) 6(-2.55,-0.75) 7(-2.55,-1.25) 8(-2.55,-1.75) 17(2.55,-1.75) 18(2.55,-1.25) 19(2.55,-0.75) 20(2.55,-0.25) 21(2.55,0.25) 22(2.55,0.75) 23(2.55,1.25) 24(2.55,1.75)
  rect 0.27x0.85 smd: 9(-1.75,-2.55) 10(-1.25,-2.55) 11(-0.75,-2.55) 12(-0.25,-2.55) 13(0.25,-2.55) 14(0.75,-2.55) 15(1.25,-2.55) 16(1.75,-2.55) 25(1.75,2.55) 26(1.25,2.55) 27(0.75,2.55) 28(0.25,2.55) 29(-0.25,2.55) 30(-0.75,2.55) 31(-1.25,2.55) 32(-1.75,2.55)
  rect 1.25x1.25 hole 0.711: 33(-1.25,1.25) 33(-1.25,0) 33(-1.25,-1.25) 33(0,1.25) 33(0,0) 33(0,-1.25) 33(1.25,1.25) 33(1.25,0) 33(1.25,-1.25)
